# KiCad board first_keyboard.kicad_pcb (continued)
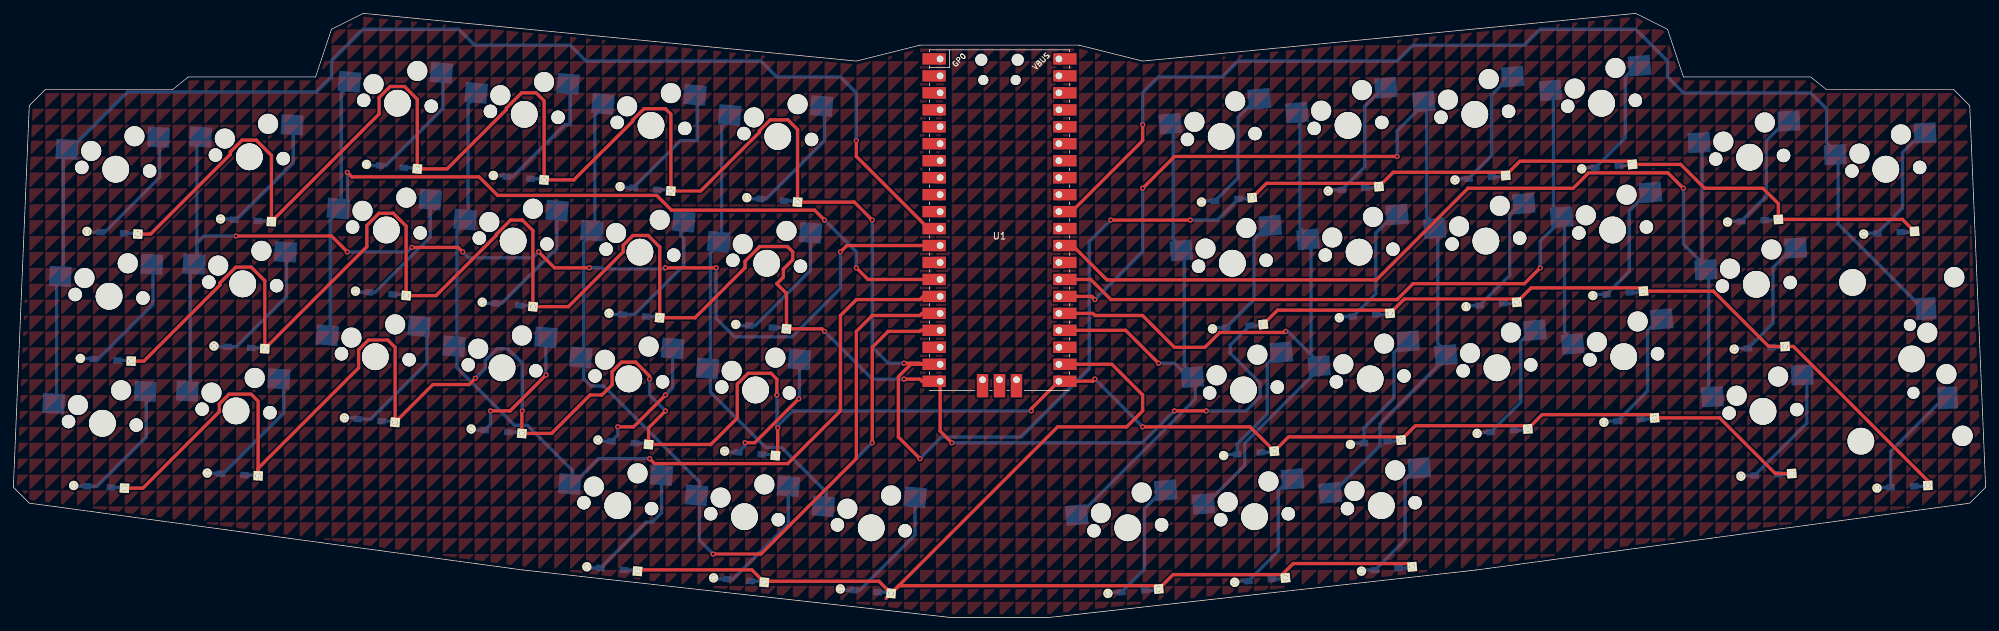
[diagram p0: board, top side]
## Copper pours and planes (outline as drawn; the poured copper is in the pictures) (continued)
(no net) on Top, Bottom: 85.73,61.91 85.73,59.53 88.11,61.91
(no net) on Top, Bottom: 138.11,33.34 138.11,30.96 140.49,33.34
(no net) on Top, Bottom: 150.02,47.62 150.02,45.24 152.4,47.62
(no net) on Top, Bottom: 92.87,-4.76 92.87,-7.14 95.25,-4.76
(no net) on Top, Bottom: 21.43,14.29 21.43,11.91 23.81,14.29
(no net) on Top, Bottom: 90.49,69.06 90.49,66.68 92.87,69.06
(no net) on Top, Bottom: 185.74,104.78 185.74,102.39 188.12,104.78
(no net) on Top, Bottom: 185.74,59.53 185.74,57.15 188.12,59.53
(no net) on Top, Bottom: 66.67,88.11 66.67,85.72 69.06,88.11
(no net) on Top, Bottom: 292.89,80.96 292.89,78.58 295.27,80.96
(no net) on Top, Bottom: 183.36,69.06 183.36,66.68 185.74,69.06
(no net) on Top, Bottom: 90.49,80.96 90.49,78.58 92.87,80.96
(no net) on Top, Bottom: 145.26,66.68 145.26,64.29 147.64,66.68
(no net) on Top, Bottom: 26.19,52.39 26.19,50.01 28.58,52.39
(no net) on Top, Bottom: 207.17,121.44 207.17,119.06 209.55,121.44
(no net) on Top, Bottom: 47.62,38.1 47.62,35.72 50.01,38.1
(no net) on Top, Bottom: 119.06,-4.76 119.06,-7.14 121.44,-4.76
(no net) on Top, Bottom: 80.96,-9.53 80.96,-11.91 83.34,-9.53
(no net) on Top, Bottom: 207.17,33.34 207.17,30.96 209.55,33.34
(no net) on Top, Bottom: 247.65,138.11 247.65,135.73 250.03,138.11
(no net) on Top, Bottom: 242.89,78.58 242.89,76.2 245.27,78.58
(no net) on Top, Bottom: 195.26,130.97 195.26,128.59 197.64,130.97
(no net) on Top, Bottom: 302.42,42.86 302.42,40.48 304.8,42.86
(no net) on Top, Bottom: 57.15,126.21 57.15,123.83 59.53,126.21
(no net) on Top, Bottom: 204.79,57.15 204.79,54.77 207.17,57.15
(no net) on Top, Bottom: 226.22,-19.05 226.22,-21.43 228.6,-19.05
(no net) on Top, Bottom: 21.43,-23.81 21.43,-26.19 23.81,-23.81
(no net) on Top, Bottom: 254.79,7.14 254.79,4.76 257.18,7.14
(no net) on Top, Bottom: 130.97,7.14 130.97,4.76 133.35,7.14
(no net) on Top, Bottom: 157.16,19.05 157.16,16.67 159.54,19.05
(no net) on Top, Bottom: 228.6,38.1 228.6,35.72 230.98,38.1
(no net) on Top, Bottom: 157.16,33.34 157.16,30.96 159.54,33.34
(no net) on Top, Bottom: 257.18,-23.81 257.18,-26.19 259.56,-23.81
(no net) on Top, Bottom: 264.32,50.01 264.32,47.62 266.7,50.01
(no net) on Top, Bottom: 195.26,114.3 195.26,111.92 197.64,114.3
(no net) on Top, Bottom: 164.31,142.88 164.31,140.49 166.69,142.88
(no net) on Top, Bottom: 61.91,-19.05 61.91,-21.43 64.29,-19.05
(no net) on Top, Bottom: 135.73,133.35 135.73,130.97 138.11,133.35
(no net) on Top, Bottom: 95.25,-23.81 95.25,-26.19 97.63,-23.81
(no net) on Top, Bottom: 250.03,-19.05 250.03,-21.43 252.41,-19.05
(no net) on Top, Bottom: 185.74,-33.34 185.74,-35.72 188.12,-33.34
(no net) on Top, Bottom: 197.64,69.06 197.64,66.68 200.02,69.06
(no net) on Top, Bottom: 159.54,140.49 159.54,138.11 161.93,140.49
(no net) on Top, Bottom: 266.7,59.53 266.7,57.15 269.08,59.53
(no net) on Top, Bottom: 54.77,-7.14 54.77,-9.53 57.15,-7.14
(no net) on Top, Bottom: 7.14,66.68 7.14,64.29 9.53,66.68
(no net) on Top, Bottom: 288.13,66.68 288.13,64.29 290.51,66.68
(no net) on Top, Bottom: 185.74,16.67 185.74,14.29 188.12,16.67
(no net) on Top, Bottom: 219.07,64.29 219.07,61.91 221.46,64.29
(no net) on Top, Bottom: 61.91,145.26 61.91,142.88 64.29,145.26
(no net) on Top, Bottom: 288.13,16.67 288.13,14.29 290.51,16.67
(no net) on Top, Bottom: 271.46,-7.14 271.46,-9.53 273.84,-7.14
(no net) on Top, Bottom: 16.67,69.06 16.67,66.68 19.05,69.06
(no net) on Top, Bottom: 209.55,47.62 209.55,45.24 211.93,47.62
(no net) on Top, Bottom: 45.24,21.43 45.24,19.05 47.62,21.43
(no net) on Top, Bottom: 73.82,121.44 73.82,119.06 76.2,121.44
(no net) on Top, Bottom: 119.06,78.58 119.06,76.2 121.44,78.58
(no net) on Top, Bottom: 209.55,-14.29 209.55,-16.67 211.93,-14.29
(no net) on Top, Bottom: 209.55,66.68 209.55,64.29 211.93,66.68
(no net) on Top, Bottom: 271.46,26.19 271.46,23.81 273.84,26.19
(no net) on Top, Bottom: 247.65,92.87 247.65,90.49 250.03,92.87
(no net) on Top, Bottom: 85.73,147.64 85.73,145.26 88.11,147.64
(no net) on Top, Bottom: 202.41,45.24 202.41,42.86 204.79,45.24
(no net) on Top, Bottom: 183.36,7.14 183.36,4.76 185.74,7.14
(no net) on Top, Bottom: 250.03,66.68 250.03,64.29 252.41,66.68
(no net) on Top, Bottom: 71.44,61.91 71.44,59.53 73.82,61.91
(no net) on Top, Bottom: 116.68,0 116.68,-2.38 119.06,0
(no net) on Top, Bottom: 126.21,-28.57 126.21,-30.96 128.59,-28.57
(no net) on Top, Bottom: 180.98,104.78 180.98,102.39 183.36,104.78
(no net) on Top, Bottom: 119.06,133.35 119.06,130.97 121.44,133.35
(no net) on Top, Bottom: 40.48,-2.38 40.48,-4.76 42.86,-2.38
(no net) on Top, Bottom: 142.88,19.05 142.88,16.67 145.26,19.05
(no net) on Top, Bottom: 259.56,119.06 259.56,116.68 261.94,119.06
(no net) on Top, Bottom: 11.91,64.29 11.91,61.91 14.29,64.29
(no net) on Top, Bottom: 21.43,-21.43 21.43,-23.81 23.81,-21.43
(no net) on Top, Bottom: 240.51,138.11 240.51,135.73 242.89,138.11
(no net) on Top, Bottom: 247.65,-33.34 247.65,-35.72 250.03,-33.34
(no net) on Top, Bottom: 59.53,128.59 59.53,126.21 61.91,128.59
(no net) on Top, Bottom: 157.16,-4.76 157.16,-7.14 159.54,-4.76
(no net) on Top, Bottom: 164.31,4.76 164.31,2.38 166.69,4.76
(no net) on Top, Bottom: 283.37,135.73 283.37,133.35 285.75,135.73
(no net) on Top, Bottom: 85.73,130.97 85.73,128.59 88.11,130.97
(no net) on Top, Bottom: 102.39,145.26 102.39,142.88 104.77,145.26
(no net) on Top, Bottom: 150.02,76.2 150.02,73.82 152.4,76.2
(no net) on Top, Bottom: 50.01,85.72 50.01,83.34 52.39,85.72
(no net) on Top, Bottom: 185.74,76.2 185.74,73.82 188.12,76.2
(no net) on Top, Bottom: 288.13,-11.91 288.13,-14.29 290.51,-11.91
(no net) on Top, Bottom: 164.31,45.24 164.31,42.86 166.69,45.24
(no net) on Top, Bottom: 92.87,100.01 92.87,97.63 95.25,100.01
(no net) on Top, Bottom: 178.59,78.58 178.59,76.2 180.98,78.58
(no net) on Top, Bottom: 133.35,83.34 133.35,80.96 135.73,83.34
(no net) on Top, Bottom: 80.96,133.35 80.96,130.97 83.34,133.35
(no net) on Top, Bottom: 240.51,-23.81 240.51,-26.19 242.89,-23.81
(no net) on Top, Bottom: 235.74,33.34 235.74,30.96 238.12,33.34
(no net) on Top, Bottom: 271.46,28.57 271.46,26.19 273.84,28.57
(no net) on Top, Bottom: 95.25,50.01 95.25,47.62 97.63,50.01
(no net) on Top, Bottom: 90.49,116.68 90.49,114.3 92.87,116.68
(no net) on Top, Bottom: 161.93,28.57 161.93,26.19 164.31,28.57
(no net) on Top, Bottom: 69.06,-26.19 69.06,-28.57 71.44,-26.19
(no net) on Top, Bottom: 40.48,-30.96 40.48,-33.34 42.86,-30.96
(no net) on Top, Bottom: 111.92,-19.05 111.92,-21.43 114.3,-19.05
(no net) on Top, Bottom: 250.03,-30.96 250.03,-33.34 252.41,-30.96
(no net) on Top, Bottom: 145.26,90.49 145.26,88.11 147.64,90.49
(no net) on Top, Bottom: 161.93,57.15 161.93,54.77 164.31,57.15
(no net) on Top, Bottom: 123.83,40.48 123.83,38.1 126.21,40.48
(no net) on Top, Bottom: 285.75,26.19 285.75,23.81 288.13,26.19
(no net) on Top, Bottom: 114.3,30.96 114.3,28.57 116.68,30.96
(no net) on Top, Bottom: 245.27,76.2 245.27,73.82 247.65,76.2
(no net) on Top, Bottom: 257.18,-9.53 257.18,-11.91 259.56,-9.53
(no net) on Top, Bottom: 276.22,104.78 276.22,102.39 278.61,104.78
(no net) on Top, Bottom: 292.89,-33.34 292.89,-35.72 295.27,-33.34
(no net) on Top, Bottom: 88.11,119.06 88.11,116.68 90.49,119.06
(no net) on Top, Bottom: 240.51,90.49 240.51,88.11 242.89,90.49
(no net) on Top, Bottom: 228.6,-7.14 228.6,-9.53 230.98,-7.14
(no net) on Top, Bottom: 207.17,-19.05 207.17,-21.43 209.55,-19.05
(no net) on Top, Bottom: 128.59,140.49 128.59,138.11 130.97,140.49
(no net) on Top, Bottom: 107.16,42.86 107.16,40.48 109.54,42.86
(no net) on Top, Bottom: 192.88,78.58 192.88,76.2 195.26,78.58
(no net) on Top, Bottom: 154.78,78.58 154.78,76.2 157.16,78.58
(no net) on Top, Bottom: 116.68,26.19 116.68,23.81 119.06,26.19
(no net) on Top, Bottom: 142.88,28.57 142.88,26.19 145.26,28.57
(no net) on Top, Bottom: 173.83,-28.57 173.83,-30.96 176.21,-28.57
(no net) on Top, Bottom: 288.13,-2.38 288.13,-4.76 290.51,-2.38
(no net) on Top, Bottom: 109.54,-9.53 109.54,-11.91 111.92,-9.53
(no net) on Top, Bottom: 269.08,95.25 269.08,92.87 271.46,95.25
(no net) on Top, Bottom: 157.16,-30.96 157.16,-33.34 159.54,-30.96
(no net) on Top, Bottom: 183.36,66.68 183.36,64.29 185.74,66.68
(no net) on Top, Bottom: 161.93,26.19 161.93,23.81 164.31,26.19
(no net) on Top, Bottom: 247.65,28.57 247.65,26.19 250.03,28.57
(no net) on Top, Bottom: 111.92,150.02 111.92,147.64 114.3,150.02
(no net) on Top, Bottom: 133.35,52.39 133.35,50.01 135.73,52.39
(no net) on Top, Bottom: 83.34,-14.29 83.34,-16.67 85.73,-14.29
(no net) on Top, Bottom: 166.69,47.62 166.69,45.24 169.07,47.62
(no net) on Top, Bottom: 266.7,83.34 266.7,80.96 269.08,83.34
(no net) on Top, Bottom: 216.69,47.62 216.69,45.24 219.07,47.62
(no net) on Top, Bottom: 302.42,50.01 302.42,47.62 304.8,50.01
(no net) on Top, Bottom: 221.46,123.83 221.46,121.44 223.84,123.83
(no net) on Top, Bottom: 157.16,-16.67 157.16,-19.05 159.54,-16.67
(no net) on Top, Bottom: 61.91,92.87 61.91,90.49 64.29,92.87
(no net) on Top, Bottom: 78.58,-19.05 78.58,-21.43 80.96,-19.05
(no net) on Top, Bottom: 245.27,104.78 245.27,102.39 247.65,104.78
(no net) on Top, Bottom: 38.1,26.19 38.1,23.81 40.48,26.19
(no net) on Top, Bottom: 223.84,-16.67 223.84,-19.05 226.22,-16.67
(no net) on Top, Bottom: 14.29,30.96 14.29,28.57 16.67,30.96
(no net) on Top, Bottom: 57.15,88.11 57.15,85.72 59.53,88.11
(no net) on Top, Bottom: 54.77,88.11 54.77,85.72 57.15,88.11
(no net) on Top, Bottom: 21.43,71.44 21.43,69.06 23.81,71.44
(no net) on Top, Bottom: 47.62,-9.53 47.62,-11.91 50.01,-9.53
(no net) on Top, Bottom: 211.93,145.26 211.93,142.88 214.31,145.26
(no net) on Top, Bottom: 30.96,92.87 30.96,90.49 33.34,92.87
(no net) on Top, Bottom: 57.15,73.82 57.15,71.44 59.53,73.82
(no net) on Top, Bottom: 242.89,47.62 242.89,45.24 245.27,47.62
(no net) on Top, Bottom: 166.69,140.49 166.69,138.11 169.07,140.49
(no net) on Top, Bottom: 304.8,121.44 304.8,119.06 307.18,121.44
(no net) on Top, Bottom: 192.88,42.86 192.88,40.48 195.26,42.86
(no net) on Top, Bottom: 130.97,107.16 130.97,104.78 133.35,107.16
(no net) on Top, Bottom: 204.79,38.1 204.79,35.72 207.17,38.1
(no net) on Top, Bottom: 88.11,7.14 88.11,4.76 90.49,7.14
(no net) on Top, Bottom: 238.12,-7.14 238.12,-9.53 240.51,-7.14
(no net) on Top, Bottom: 97.63,109.54 97.63,107.16 100.01,109.54
(no net) on Top, Bottom: 152.4,-11.91 152.4,-14.29 154.78,-11.91
(no net) on Top, Bottom: 226.22,-9.53 226.22,-11.91 228.6,-9.53
(no net) on Top, Bottom: 223.84,-2.38 223.84,-4.76 226.22,-2.38
(no net) on Top, Bottom: 2.38,14.29 2.38,11.91 4.76,14.29
(no net) on Top, Bottom: 107.16,66.68 107.16,64.29 109.54,66.68
(no net) on Top, Bottom: 219.07,35.72 219.07,33.34 221.46,35.72
(no net) on Top, Bottom: 188.12,97.63 188.12,95.25 190.5,97.63
(no net) on Top, Bottom: 21.43,95.25 21.43,92.87 23.81,95.25
(no net) on Top, Bottom: 59.53,116.68 59.53,114.3 61.91,116.68
(no net) on Top, Bottom: 245.27,23.81 245.27,21.43 247.65,23.81
(no net) on Top, Bottom: 169.07,102.39 169.07,100.01 171.45,102.39
(no net) on Top, Bottom: 176.21,145.26 176.21,142.88 178.59,145.26
(no net) on Top, Bottom: 26.19,100.01 26.19,97.63 28.58,100.01
(no net) on Top, Bottom: 259.56,-9.53 259.56,-11.91 261.94,-9.53
(no net) on Top, Bottom: 292.89,-38.1 292.89,-40.48 295.27,-38.1
(no net) on Top, Bottom: 304.8,109.54 304.8,107.16 307.18,109.54
(no net) on Top, Bottom: 173.83,-35.72 173.83,-38.1 176.21,-35.72
(no net) on Top, Bottom: 297.66,126.21 297.66,123.83 300.04,126.21
(no net) on Top, Bottom: 250.03,97.63 250.03,95.25 252.41,97.63
(no net) on Top, Bottom: 226.22,64.29 226.22,61.91 228.6,64.29
(no net) on Top, Bottom: 180.98,80.96 180.98,78.58 183.36,80.96
(no net) on Top, Bottom: 285.75,102.39 285.75,100.01 288.13,102.39
(no net) on Top, Bottom: 204.79,7.14 204.79,4.76 207.17,7.14
(no net) on Top, Bottom: 197.64,40.48 197.64,38.1 200.02,40.48
(no net) on Top, Bottom: 133.35,116.68 133.35,114.3 135.73,116.68
(no net) on Top, Bottom: 9.53,40.48 9.53,38.1 11.91,40.48
(no net) on Top, Bottom: 90.49,-11.91 90.49,-14.29 92.87,-11.91
(no net) on Top, Bottom: 288.13,147.64 288.13,145.26 290.51,147.64
(no net) on Top, Bottom: 228.6,-21.43 228.6,-23.81 230.98,-21.43
(no net) on Top, Bottom: 80.96,-19.05 80.96,-21.43 83.34,-19.05
(no net) on Top, Bottom: 123.83,0 123.83,-2.38 126.21,0
(no net) on Top, Bottom: 111.92,69.06 111.92,66.68 114.3,69.06
(no net) on Top, Bottom: 283.37,-9.53 283.37,-11.91 285.75,-9.53
(no net) on Top, Bottom: 80.96,83.34 80.96,80.96 83.34,83.34
(no net) on Top, Bottom: 254.79,121.44 254.79,119.06 257.18,121.44
(no net) on Top, Bottom: 59.53,119.06 59.53,116.68 61.91,119.06
(no net) on Top, Bottom: 257.18,97.63 257.18,95.25 259.56,97.63
(no net) on Top, Bottom: 252.41,119.06 252.41,116.68 254.79,119.06
(no net) on Top, Bottom: 7.14,100.01 7.14,97.63 9.53,100.01
(no net) on Top, Bottom: 40.48,102.39 40.48,100.01 42.86,102.39
(no net) on Top, Bottom: 176.21,4.76 176.21,2.38 178.59,4.76
(no net) on Top, Bottom: 92.87,135.73 92.87,133.35 95.25,135.73
(no net) on Top, Bottom: 280.99,88.11 280.99,85.72 283.37,88.11
(no net) on Top, Bottom: 61.91,116.68 61.91,114.3 64.29,116.68
(no net) on Top, Bottom: 185.74,142.88 185.74,140.49 188.12,142.88
(no net) on Top, Bottom: 88.11,19.05 88.11,16.67 90.49,19.05
(no net) on Top, Bottom: 52.39,121.44 52.39,119.06 54.77,121.44
(no net) on Top, Bottom: 64.29,-35.72 64.29,-38.1 66.67,-35.72
(no net) on Top, Bottom: 304.8,2.38 304.8,0 307.18,2.38
(no net) on Top, Bottom: 64.29,26.19 64.29,23.81 66.67,26.19
(no net) on Top, Bottom: 211.93,135.73 211.93,133.35 214.31,135.73
(no net) on Top, Bottom: 285.75,9.53 285.75,7.14 288.13,9.53
(no net) on Top, Bottom: 266.7,0 266.7,-2.38 269.08,0
(no net) on Top, Bottom: 40.48,-9.53 40.48,-11.91 42.86,-9.53
(no net) on Top, Bottom: 135.73,88.11 135.73,85.72 138.11,88.11
(no net) on Top, Bottom: 109.54,50.01 109.54,47.62 111.92,50.01
(no net) on Top, Bottom: 26.19,35.72 26.19,33.34 28.58,35.72
(no net) on Top, Bottom: 78.58,88.11 78.58,85.72 80.96,88.11
(no net) on Top, Bottom: 269.08,45.24 269.08,42.86 271.46,45.24
(no net) on Top, Bottom: 297.66,33.34 297.66,30.96 300.04,33.34
(no net) on Top, Bottom: 88.11,16.67 88.11,14.29 90.49,16.67
(no net) on Top, Bottom: 252.41,-16.67 252.41,-19.05 254.79,-16.67
(no net) on Top, Bottom: 54.77,38.1 54.77,35.72 57.15,38.1
(no net) on Top, Bottom: 204.79,147.64 204.79,145.26 207.17,147.64
(no net) on Top, Bottom: 300.04,-35.72 300.04,-38.1 302.42,-35.72
(no net) on Top, Bottom: 78.58,119.06 78.58,116.68 80.96,119.06
(no net) on Top, Bottom: 33.34,-16.67 33.34,-19.05 35.72,-16.67
(no net) on Top, Bottom: 183.36,138.11 183.36,135.73 185.74,138.11
(no net) on Top, Bottom: 228.6,-26.19 228.6,-28.57 230.98,-26.19
(no net) on Top, Bottom: 247.65,-19.05 247.65,-21.43 250.03,-19.05
(no net) on Top, Bottom: 254.79,102.39 254.79,100.01 257.18,102.39
(no net) on Top, Bottom: 304.8,100.01 304.8,97.63 307.18,100.01
(no net) on Top, Bottom: 147.64,-38.1 147.64,-40.48 150.02,-38.1
(no net) on Top, Bottom: 23.81,35.72 23.81,33.34 26.19,35.72
(no net) on Top, Bottom: 166.69,38.1 166.69,35.72 169.07,38.1
(no net) on Top, Bottom: 130.97,-30.96 130.97,-33.34 133.35,-30.96
(no net) on Top, Bottom: 295.27,128.59 295.27,126.21 297.66,128.59
(no net) on Top, Bottom: 38.1,-16.67 38.1,-19.05 40.48,-16.67
(no net) on Top, Bottom: 178.59,85.72 178.59,83.34 180.98,85.72
(no net) on Top, Bottom: 221.46,92.87 221.46,90.49 223.84,92.87
(no net) on Top, Bottom: 11.91,-33.34 11.91,-35.72 14.29,-33.34
(no net) on Top, Bottom: 54.77,71.44 54.77,69.06 57.15,71.44
(no net) on Top, Bottom: 278.61,133.35 278.61,130.97 280.99,133.35
(no net) on Top, Bottom: 21.43,104.78 21.43,102.39 23.81,104.78
(no net) on Top, Bottom: 38.1,135.73 38.1,133.35 40.48,135.73
(no net) on Top, Bottom: 80.96,42.86 80.96,40.48 83.34,42.86
(no net) on Top, Bottom: 202.41,26.19 202.41,23.81 204.79,26.19
(no net) on Top, Bottom: 7.14,64.29 7.14,61.91 9.53,64.29
(no net) on Top, Bottom: 57.15,57.15 57.15,54.77 59.53,57.15
(no net) on Top, Bottom: 83.34,52.39 83.34,50.01 85.73,52.39
(no net) on Top, Bottom: 128.59,-38.1 128.59,-40.48 130.97,-38.1
(no net) on Top, Bottom: 295.27,150.02 295.27,147.64 297.66,150.02
(no net) on Top, Bottom: 73.82,47.62 73.82,45.24 76.2,47.62
(no net) on Top, Bottom: 135.73,114.3 135.73,111.92 138.11,114.3
(no net) on Top, Bottom: 190.5,4.76 190.5,2.38 192.88,4.76
(no net) on Top, Bottom: 297.66,21.43 297.66,19.05 300.04,21.43
(no net) on Top, Bottom: 266.7,28.57 266.7,26.19 269.08,28.57
(no net) on Top, Bottom: 9.53,-33.34 9.53,-35.72 11.91,-33.34
(no net) on Top, Bottom: 35.72,-2.38 35.72,-4.76 38.1,-2.38
(no net) on Top, Bottom: 85.73,119.06 85.73,116.68 88.11,119.06
(no net) on Top, Bottom: 4.76,-28.57 4.76,-30.96 7.14,-28.57
(no net) on Top, Bottom: 188.12,130.97 188.12,128.59 190.5,130.97
(no net) on Top, Bottom: 97.63,21.43 97.63,19.05 100.01,21.43
(no net) on Top, Bottom: 280.99,0 280.99,-2.38 283.37,0
(no net) on Top, Bottom: 209.55,128.59 209.55,126.21 211.93,128.59
(no net) on Top, Bottom: 271.46,66.68 271.46,64.29 273.84,66.68
(no net) on Top, Bottom: 154.78,-7.14 154.78,-9.53 157.16,-7.14
(no net) on Top, Bottom: 90.49,88.11 90.49,85.72 92.87,88.11
(no net) on Top, Bottom: 235.74,45.24 235.74,42.86 238.12,45.24
(no net) on Top, Bottom: 73.82,71.44 73.82,69.06 76.2,71.44
(no net) on Top, Bottom: 90.49,38.1 90.49,35.72 92.87,38.1
(no net) on Top, Bottom: 297.66,-16.67 297.66,-19.05 300.04,-16.67
(no net) on Top, Bottom: 7.14,71.44 7.14,69.06 9.53,71.44
(no net) on Top, Bottom: 16.67,28.57 16.67,26.19 19.05,28.57
(no net) on Top, Bottom: 40.48,2.38 40.48,0 42.86,2.38
(no net) on Top, Bottom: 254.79,145.26 254.79,142.88 257.18,145.26
(no net) on Top, Bottom: 78.58,126.21 78.58,123.83 80.96,126.21
(no net) on Top, Bottom: 161.93,109.54 161.93,107.16 164.31,109.54
(no net) on Top, Bottom: 85.73,114.3 85.73,111.92 88.11,114.3
(no net) on Top, Bottom: 269.08,66.68 269.08,64.29 271.46,66.68
(no net) on Top, Bottom: 28.58,-9.53 28.58,-11.91 30.96,-9.53
(no net) on Top, Bottom: 97.63,14.29 97.63,11.91 100.01,14.29
(no net) on Top, Bottom: 278.61,126.21 278.61,123.83 280.99,126.21
(no net) on Top, Bottom: 264.32,45.24 264.32,42.86 266.7,45.24
(no net) on Top, Bottom: 245.27,119.06 245.27,116.68 247.65,119.06
(no net) on Top, Bottom: 69.06,23.81 69.06,21.43 71.44,23.81
(no net) on Top, Bottom: 7.14,-28.57 7.14,-30.96 9.53,-28.57
(no net) on Top, Bottom: 45.24,-4.76 45.24,-7.14 47.62,-4.76
(no net) on Top, Bottom: 154.78,26.19 154.78,23.81 157.16,26.19
(no net) on Top, Bottom: 221.46,7.14 221.46,4.76 223.84,7.14
(no net) on Top, Bottom: 271.46,64.29 271.46,61.91 273.84,64.29
(no net) on Top, Bottom: 178.59,111.92 178.59,109.54 180.98,111.92
(no net) on Top, Bottom: 200.02,57.15 200.02,54.77 202.41,57.15
(no net) on Top, Bottom: 219.07,9.53 219.07,7.14 221.46,9.53
(no net) on Top, Bottom: 4.76,69.06 4.76,66.68 7.14,69.06
(no net) on Top, Bottom: 228.6,97.63 228.6,95.25 230.98,97.63
(no net) on Top, Bottom: 100.01,2.38 100.01,0 102.39,2.38
(no net) on Top, Bottom: 190.5,150.02 190.5,147.64 192.88,150.02
(no net) on Top, Bottom: 257.18,90.49 257.18,88.11 259.56,90.49
(no net) on Top, Bottom: 42.86,85.72 42.86,83.34 45.24,85.72
(no net) on Top, Bottom: 100.01,54.77 100.01,52.39 102.39,54.77
(no net) on Top, Bottom: 216.69,69.06 216.69,66.68 219.07,69.06
(no net) on Top, Bottom: 285.75,76.2 285.75,73.82 288.13,76.2
(no net) on Top, Bottom: 171.45,138.11 171.45,135.73 173.83,138.11
(no net) on Top, Bottom: 297.66,-33.34 297.66,-35.72 300.04,-33.34
(no net) on Top, Bottom: 195.26,150.02 195.26,147.64 197.64,150.02
(no net) on Top, Bottom: 209.55,-33.34 209.55,-35.72 211.93,-33.34
(no net) on Top, Bottom: 33.34,128.59 33.34,126.21 35.72,128.59
(no net) on Top, Bottom: 259.56,7.14 259.56,4.76 261.94,7.14
(no net) on Top, Bottom: 259.56,26.19 259.56,23.81 261.94,26.19
(no net) on Top, Bottom: 147.64,80.96 147.64,78.58 150.02,80.96
(no net) on Top, Bottom: 173.83,133.35 173.83,130.97 176.21,133.35
(no net) on Top, Bottom: 130.97,121.44 130.97,119.06 133.35,121.44
(no net) on Top, Bottom: 40.48,42.86 40.48,40.48 42.86,42.86
(no net) on Top, Bottom: 26.19,-35.72 26.19,-38.1 28.58,-35.72
(no net) on Top, Bottom: 283.37,133.35 283.37,130.97 285.75,133.35
(no net) on Top, Bottom: 80.96,33.34 80.96,30.96 83.34,33.34
(no net) on Top, Bottom: 78.58,52.39 78.58,50.01 80.96,52.39
(no net) on Top, Bottom: 171.45,-11.91 171.45,-14.29 173.83,-11.91
(no net) on Top, Bottom: 221.46,-14.29 221.46,-16.67 223.84,-14.29
(no net) on Top, Bottom: 61.91,133.35 61.91,130.97 64.29,133.35
(no net) on Top, Bottom: 180.98,102.39 180.98,100.01 183.36,102.39
(no net) on Top, Bottom: 266.7,73.82 266.7,71.44 269.08,73.82
(no net) on Top, Bottom: 30.96,88.11 30.96,85.72 33.34,88.11
(no net) on Top, Bottom: 233.36,147.64 233.36,145.26 235.74,147.64
(no net) on Top, Bottom: 173.83,0 173.83,-2.38 176.21,0
(no net) on Top, Bottom: 16.67,30.96 16.67,28.57 19.05,30.96
(no net) on Top, Bottom: 150.02,14.29 150.02,11.91 152.4,14.29
(no net) on Top, Bottom: 214.31,142.88 214.31,140.49 216.69,142.88
(no net) on Top, Bottom: 292.89,116.68 292.89,114.3 295.27,116.68
(no net) on Top, Bottom: 52.39,133.35 52.39,130.97 54.77,133.35
(no net) on Top, Bottom: 161.93,-9.53 161.93,-11.91 164.31,-9.53
(no net) on Top, Bottom: 133.35,50.01 133.35,47.62 135.73,50.01
(no net) on Top, Bottom: 126.21,121.44 126.21,119.06 128.59,121.44
(no net) on Top, Bottom: 109.54,-33.34 109.54,-35.72 111.92,-33.34
(no net) on Top, Bottom: 140.49,57.15 140.49,54.77 142.88,57.15
(no net) on Top, Bottom: 73.82,128.59 73.82,126.21 76.2,128.59
(no net) on Top, Bottom: 4.76,2.38 4.76,0 7.14,2.38
(no net) on Top, Bottom: 52.39,52.39 52.39,50.01 54.77,52.39
(no net) on Top, Bottom: 33.34,133.35 33.34,130.97 35.72,133.35
(no net) on Top, Bottom: 61.91,-11.91 61.91,-14.29 64.29,-11.91
(no net) on Top, Bottom: 109.54,-30.96 109.54,-33.34 111.92,-30.96
(no net) on Top, Bottom: 114.3,128.59 114.3,126.21 116.68,128.59
(no net) on Top, Bottom: 33.34,38.1 33.34,35.72 35.72,38.1
(no net) on Top, Bottom: 126.21,111.92 126.21,109.54 128.59,111.92
(no net) on Top, Bottom: 88.11,64.29 88.11,61.91 90.49,64.29
(no net) on Top, Bottom: 290.51,9.53 290.51,7.14 292.89,9.53
(no net) on Top, Bottom: 278.61,54.77 278.61,52.39 280.99,54.77
(no net) on Top, Bottom: 147.64,-11.91 147.64,-14.29 150.02,-11.91
(no net) on Top, Bottom: 61.91,19.05 61.91,16.67 64.29,19.05
(no net) on Top, Bottom: 109.54,92.87 109.54,90.49 111.92,92.87
(no net) on Top, Bottom: 235.74,23.81 235.74,21.43 238.12,23.81
(no net) on Top, Bottom: 214.31,100.01 214.31,97.63 216.69,100.01
(no net) on Top, Bottom: 107.16,109.54 107.16,107.16 109.54,109.54
(no net) on Top, Bottom: 14.29,26.19 14.29,23.81 16.67,26.19
(no net) on Top, Bottom: 95.25,-14.29 95.25,-16.67 97.63,-14.29
(no net) on Top, Bottom: 11.91,11.91 11.91,9.53 14.29,11.91
(no net) on Top, Bottom: 14.29,83.34 14.29,80.96 16.67,83.34
(no net) on Top, Bottom: 264.32,119.06 264.32,116.68 266.7,119.06
(no net) on Top, Bottom: 157.16,42.86 157.16,40.48 159.54,42.86
(no net) on Top, Bottom: 209.55,59.53 209.55,57.15 211.93,59.53
(no net) on Top, Bottom: 14.29,-9.53 14.29,-11.91 16.67,-9.53
(no net) on Top, Bottom: 119.06,140.49 119.06,138.11 121.44,140.49
(no net) on Top, Bottom: 238.12,19.05 238.12,16.67 240.51,19.05
(no net) on Top, Bottom: 221.46,-19.05 221.46,-21.43 223.84,-19.05
(no net) on Top, Bottom: 226.22,88.11 226.22,85.72 228.6,88.11
(no net) on Top, Bottom: 204.79,33.34 204.79,30.96 207.17,33.34
(no net) on Top, Bottom: 180.98,69.06 180.98,66.68 183.36,69.06
(no net) on Top, Bottom: 221.46,147.64 221.46,145.26 223.84,147.64
(no net) on Top, Bottom: 180.98,47.62 180.98,45.24 183.36,47.62
(no net) on Top, Bottom: 47.62,100.01 47.62,97.63 50.01,100.01
(no net) on Top, Bottom: 9.53,88.11 9.53,85.72 11.91,88.11
(no net) on Top, Bottom: 26.19,-16.67 26.19,-19.05 28.58,-16.67
(no net) on Top, Bottom: 250.03,-35.72 250.03,-38.1 252.41,-35.72
(no net) on Top, Bottom: 173.83,123.83 173.83,121.44 176.21,123.83
(no net) on Top, Bottom: 173.83,73.82 173.83,71.44 176.21,73.82
(no net) on Top, Bottom: 142.88,135.73 142.88,133.35 145.26,135.73
(no net) on Top, Bottom: 78.58,59.53 78.58,57.15 80.96,59.53
(no net) on Top, Bottom: 30.96,71.44 30.96,69.06 33.34,71.44
(no net) on Top, Bottom: 223.84,142.88 223.84,140.49 226.22,142.88
(no net) on Top, Bottom: 114.3,95.25 114.3,92.87 116.68,95.25
(no net) on Top, Bottom: 61.91,109.54 61.91,107.16 64.29,109.54
(no net) on Top, Bottom: 116.68,145.26 116.68,142.88 119.06,145.26
(no net) on Top, Bottom: 140.49,114.3 140.49,111.92 142.88,114.3
(no net) on Top, Bottom: 2.38,-4.76 2.38,-7.14 4.76,-4.76
(no net) on Top, Bottom: 261.94,9.53 261.94,7.14 264.32,9.53
(no net) on Top, Bottom: 83.34,138.11 83.34,135.73 85.73,138.11
(no net) on Top, Bottom: 297.66,66.68 297.66,64.29 300.04,66.68
(no net) on Top, Bottom: 104.77,-11.91 104.77,-14.29 107.16,-11.91
(no net) on Top, Bottom: 59.53,102.39 59.53,100.01 61.91,102.39
(no net) on Top, Bottom: 290.51,0 290.51,-2.38 292.89,0